# Altium PCB GPS_Traking_V1_1.PcbDoc (part 2 of 2)
Units mm, origin at the board's own origin, x right, y up, seen from the top; angles counter-clockwise.
Board outline 120 x 75 mm, 2 copper layers (Top Layer, Bottom Layer); 165 components, 122 nets, 544 pads, 486 vias.
Unrouted connection lines stored in the file: 3.
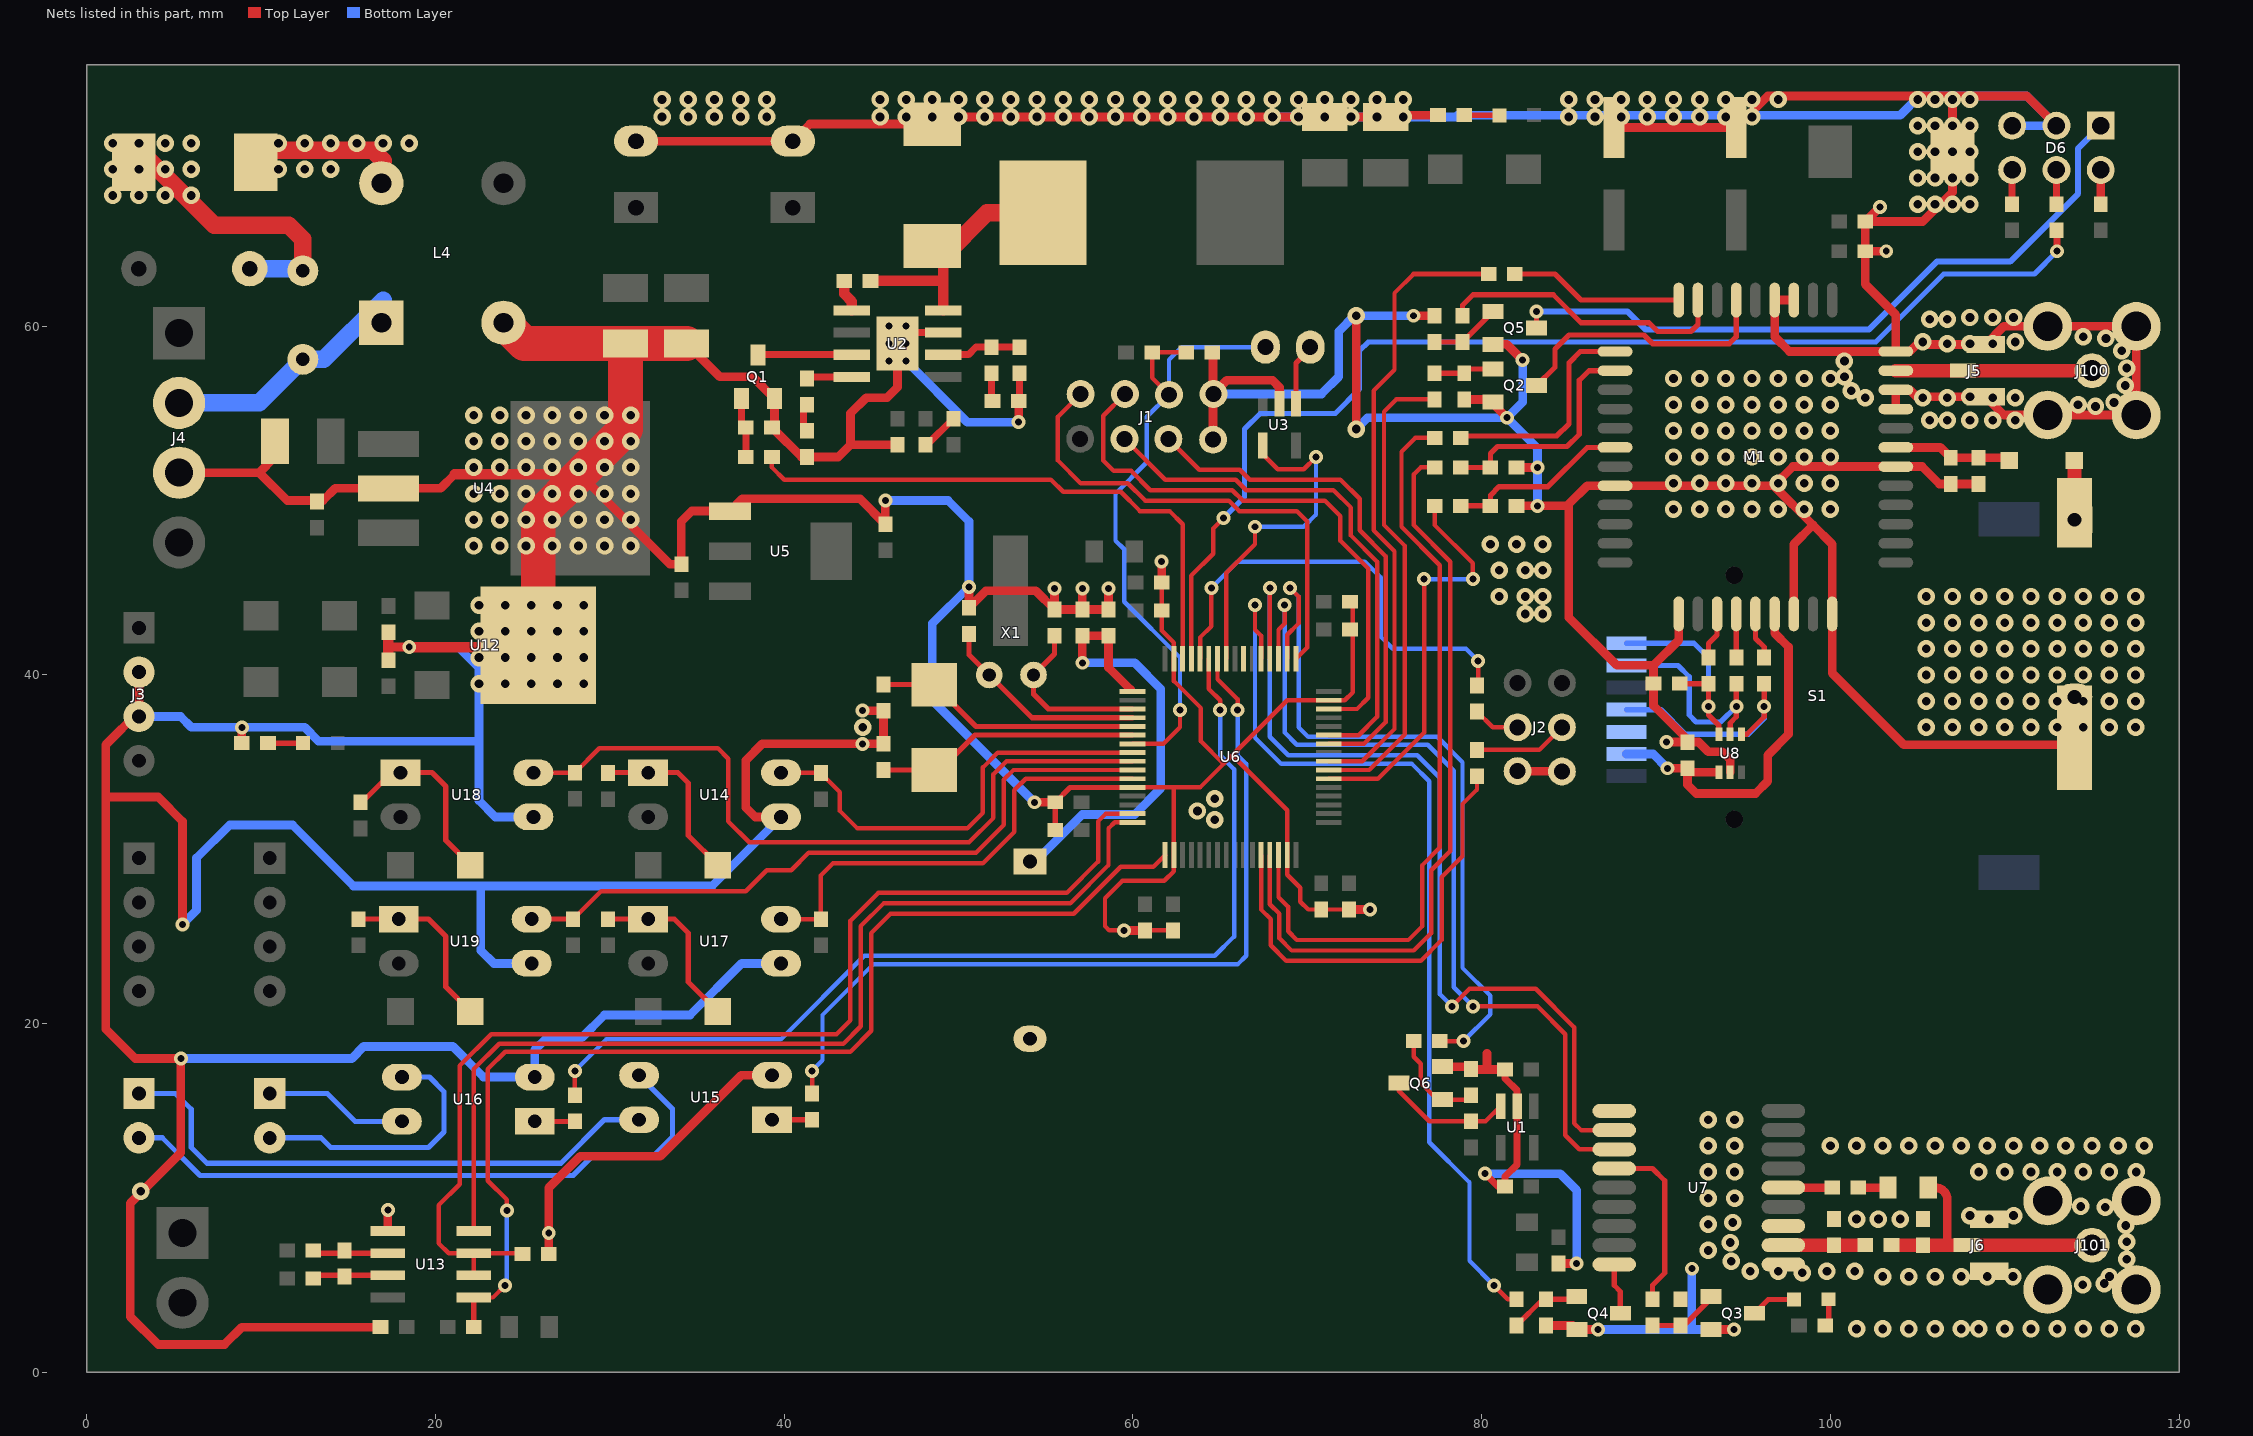
[diagram p2: the nets of this part, all layers, seen from the top]

## Via types
v1: diameter 1, hole 0.5, Top Layer to Bottom Layer, tented both sides, 407 vias
v2: diameter 0.8, hole 0.4, Top Layer to Bottom Layer, tented both sides, 70 vias
v3: diameter 1.2, hole 0.6, Top Layer to Bottom Layer, tented both sides, 9 vias

## Nets (pads, with @x,y where several pads share a name; then routed paths per layer and width w, separated by ;. In a path a pad name is that pad's centre, name@x,y a point inside that pad or via, vN(x,y) a via of type N, cw(c..) or ccw(c..) an arc to the next point about the centre after c; other vN are vias at no path point) (continued)
GND: BT1.2 BT2.2 C2.1 C3.1 C4.1 C5.1 C6.1 C7.1 C8.1 C9.1 C10.1 C11.1 C12.2 C13.2 C14.1 C15.1 C16.1 C17.1 C18.2 C19.2 C20.1 C21.1 C22.2 C23.2 C24.1 C25.1 C26.1 C27.1 C28.1 C29.1 C30.1 C31.1 C32.1 C33.1 C34.2 C35.2 C36.2 C37.2 C38.2 C39.2 C40.1 C41.2 C42.2 C43.1 C44.1 C45.1 C50.1 C55.1 D1.1 D6.3 D6.5 J1.4 J1.8 J2.3 J2.6 J3.2 J3.3 J4.3 J5.2 J6.2 J100.2 J101.2 L4.2 M1.8 M1.13 M1.19 M1.21 M1.27 M1.30 M1.31 M1.33 M1.36 M1.37 pad.2@114,36.4 Q1.1 Q2.1 Q3.1 Q4.1 Q5.1 Q6.1 R1.1 R3.1 R9.1 R10.1 R12.1 R13.1 R14.1 R25.1 R27.1 R31.1 R34.1 R40.1 R75.1 S1.3 U1.2 U2.7 U2.9 U3.2 U4.2 U5.1 U6.12 U6.18 U6.31 U6.47 U6.63 U7.1 U7.10 U7.12 U8.2 U12.2 U13.5 U14.3 U15.2 U16.2 U17.3 U18.3 U19.3 | length 842.2
  Top Layer w0.254: U6.12@59.974,33.55 63.85,33.55 65.2,34.9 ; C31.1@61.65,45.3 C30.1@61.65,43.7 61.65,42.55 62.35,41.85 U6.63@62.35,40.926 62.35,39.65 63.9,38.1 63.9,36.2 65.2,34.9 ; C33.1@62.3,25.35 C32.1@60.7,25.35 58.65,25.35 58.4,25.6 58.4,27.2 59.4,28.2 61.8,28.2 62.35,28.75 U6.18@62.35,29.674 62.35,33.5 ; C26.1@72.4,26.55 C27.1@70.8,26.55 70.05,26.55 69.6,27 69.6,27.8 68.85,28.55 U6.31@68.85,29.674 68.85,32.25 65.7,35.4 ; C28.1@72.45,44.2 72.6,44.05 72.6,39 72.15,38.55 U6.47@71.226,38.55 68.85,38.55 65.7,35.4 ; 65.2,34.9 65.7,35.4
  Top Layer w0.3: C24.1@55.55,31.1 C25.1@55.55,32.7 56.4,33.55 U6.12@59.974,33.55
  Top Layer w0.4: U2.9@47.135,59.635 U2.7@49.116,59.635 ; C9.1@53.5,55.75 C8.1@53.5,57.3 ; v2(80.2,11.4) 80.93,10.67 C5.1@81.338,10.67 81.338,11.238 82.038,11.938 U1.2@82.038,15.27 82.038,16.162 81.338,16.862 C4.1@81.338,17.37
  Top Layer w0.5: J3.2@3,40.16 3,37.9 1.1,36 1.1,33 ; J4.3@5.3,51.6 9.9,51.6 ; v2(5.5,25.7) 5.5,31.6 4.1,33 1.1,33 ; R14.1@8.9,36.1 8.9,36.4 v2(8.9,37) ; C50.1@10.8,53.4 10.8,52.5 9.9,51.6 ; C15.1@16.85,2.6 8.9,2.6 7.9,1.6 4.1,1.6 2.5,3.2 2.5,9.7 5.4,12.6 v2(5.4,18) 2.8,18 1.1,19.7 1.1,33 ; U13.5@17.272,8.11 v2(17.272,9.31) ; 17.3,41.6 v2(18.5,41.6) ; 21.1,51.5 20.3,50.7 U4.2@17.3,50.7 14.25,50.7 13.55,50 11.5,50 9.9,51.6 ; R75.1@26.5,6.8 v2(26.5,8) 26.5,10.6 28.3,12.4 32.9,12.4 37.54,17.04 U15.2@39.3,17.04 ; v1@28.3,51.5 33.45,46.35 C14.1@34.1,46.35 34.1,48.8 34.7,49.4 U5.1@36.9,49.4 37.6,50.1 44.35,50.1 C17.1@45.8,48.65 v2(45.8,50) ; C13.2@31.5,70.61 C12.2@40.5,70.61 41.482,71.592 D1.1@48.5,71.592 48.908,72 v2(68.1,72) v1(71,72) C3.1@74.5,72 ; C7.1@34.4,59 36.3,57.1 38.195,57.1 Q1.1@39.44,55.855 39.44,54.06 41,52.5 R10.1@41.3,52.5 43.1,52.5 43.8,53.2 ; U14.3@39.82,31.86 38.34,31.86 37.8,32.4 37.8,35.1 38.75,36.05 v2(44.5,36.05) C19.2@45.7,36.05 C18.2@45.7,37.95 v2(44.5,37.95) ; R9.1@46.5,53.2 43.8,53.2 ; U2.9@46.5,59 46.5,56.5 45.9,55.9 44.7,55.9 43.8,55 43.8,53.2 ; v2(50.6,45.05) C23.2@50.6,43.85 51.576,44.826 54.424,44.826 C22.2@55.5,43.75 ; v2(53.45,54.5) C9.1@53.45,55.7 ; v2(54.35,32.7) C25.1@55.55,32.7 ; v2(55.5,44.95) C22.2@55.5,43.75 ; v2(57.1,44.95) C21.1@57.1,43.75 ; v2(58.6,44.95) C20.1@58.6,43.75 C21.1@57.1,43.75 ; v2(59.5,25.35) C32.1@60.7,25.35 ; C31.1@61.65,45.3 v2(61.65,46.5) ; C34.2@64.55,58.5 64.597,58.453 J1.8@64.597,56.108 ; J1.4@64.597,53.492 J1.8@64.597,56.108 ; U3.2@68.4,55.551 68.4,56.5 68,56.9 65.389,56.9 J1.8@64.597,56.108 ; C26.1@72.4,26.55 v2(73.6,26.55) ; v1(72.8,54.1) v1(72.8,60.6) ; C3.1@74.6,72.1 R13.1@77.5,72.1 ; v2(76.1,60.6) R40.1@77.3,60.6 ; Q6.1@77.745,17.54 79.26,17.54 R1.1@79.4,17.4 79.43,17.37 80.3,17.37 ; R25.1@79,55.8 Q2.1@80.516,55.8 ; 80.3,18.3 80.3,17.37 ; Q2.1@80.6,55.6 v2(81.449,54.751) ; Q5.1@80.655,58.96 81.44,58.96 v2(82.349,58.051) ; C4.1@81.338,17.37 80.3,17.37 ; R27.1@82,49.7 v2(83.2,49.7) 84.9,49.7 85,49.8 ; R31.1@82,51.9 v2(83.2,51.9) ; J2.3@82.06,34.485 J2.6@84.6,34.485 ; R3.1@83.7,2.7 85.216,2.7 Q4.1@85.455,2.46 v2(86.66,2.46) ; C40.1@84.4,6.25 v2(85.45,6.25) ; C35.2@87.6,71.4 C36.2@94.6,71.4 96.4,73.2 v1@106.8,73.2 ; v2(90.6,36.15) C42.2@91.8,36.15 ; M1.13@91.3,43.5 91.3,42 89.85,40.55 ; Q3.1@93.155,2.46 v2(94.46,2.46) ; U8.2@94.25,34.421 94.25,35.15 93.8,35.6 93,35.6 92.45,36.15 C42.2@91.8,36.15 ; M1.19@97.9,43.5 97.9,47.5 99,48.6 ; M1.36@97.9,61.5 M1.37@96.8,61.5 96.8,59.4 97.65,58.55 M1.33@103.75,58.55 103.75,60.65 102,62.4 C39.2@102,64.3 ; v2(102.849,66.849) C38.2@102,66 ; v2(103.2,64.3) C39.2@102,64.3 ; M1.30@103.75,55.25 M1.31@103.75,56.35 104.55,56.35 104.95,55.95 J5.2@108.9,55.95 109.94,54.91 J100.2@112.46,54.91 J100.2@117.54,54.91 J100.2@117.54,59.99 J100.2@112.46,59.99 109.94,59.99 J5.2@108.9,58.95 104.95,58.95 M1.33@104.55,58.55 ; C45.1@108.5,50.95 C55.1@106.9,50.95 106.25,50.95 105.25,51.95 M1.27@103.75,51.95 97.85,51.95 v1@96.75,50.85 ; D6.3@112.96,71.5 111.26,73.2 v1@106.8,73.2 ; pad.2@114,36.4 113.6,36 104.2,36 100.1,40.1 M1.21@100.1,43.5 100.1,47.5 99,48.6 ; C22.2@55.5,43.75 C21.1@57.1,43.75 ; 85,49.8 85,43.3 87.75,40.55 89.85,40.55 ; 85,49.8 86.05,50.85 M1.8@87.65,50.85 v1@96.75,50.85 ; 89.85,40.55 C41.2@89.85,39.5 89.85,38.25 91.8,36.3 C42.2@91.8,36.15 ; v1@96.75,50.85 99,48.6 ; C39.2@102,64.3 C38.2@102,66 ; C38.2@102,66 105.3,66 107,67.7 v1(107,70) v1(107,73) v1@106.8,73.2
  Top Layer w0.6: C11.1@17.3,40.85 17.3,41.6 C10.1@17.3,42.45 ; v2(18.5,41.6) U12.2@25.8,41.6 ; 21.1,51.5 v1@28.3,51.5
  Top Layer w2: L4.2@23.9,60.2 25.1,59 C6.1@30.9,59 ; U12.2@25.9,41.7 25.9,49.1 28.3,51.5 30.9,54.1 C6.1@30.9,59 ; C7.1@34.4,59 C6.1@30.9,59
  Bottom Layer w0.5: J3.3@3,37.62 5.38,37.62 6,37 v2(8.9,37) 12.5,37 13.3,36.2 22.5,36.2 ; v2(5.4,18) 15.2,18 15.9,18.7 21,18.7 22.76,16.94 U16.2@25.7,16.94 25.7,18.5 26.4,19.2 28.4,19.2 29.7,20.5 34.6,20.5 37.56,23.46 U17.3@39.82,23.46 ; v2(5.5,25.7) 6.3,26.5 6.3,29.5 8.2,31.4 11.8,31.4 15.3,27.9 35.86,27.9 U14.3@39.82,31.86 ; v2(18.5,41.6) 21.3,41.6 22.5,40.4 22.5,36.2 ; 22.6,27.8 22.6,24.2 23.34,23.46 U19.3@25.52,23.46 ; U18.3@25.62,31.86 23.44,31.86 22.5,32.8 22.5,36.2 ; v2(45.8,50) 49.4,50 50.6,48.8 v2(50.6,45.05) 48.5,42.95 48.5,38.55 v2(54.35,32.7) ; U2.9@47,58 50.5,54.5 v2(53.45,54.5) ; J1.8@64.623,56.108 70.808,56.108 71.8,57.1 71.8,59.7 v1@72.7,60.6 ; v2(68.1,72) 78.7,72 78.6,72.1 104,72.1 105.1,73.2 111.26,73.2 D6.3@112.96,71.5 D6.5@110.42,71.5 ; v1(72.8,54.1) 73.451,54.751 v2(81.449,54.751) ; v1(72.8,60.6) v2(76.1,60.6) ; v2(80.2,11.4) 84.5,11.4 85.45,10.45 v2(85.45,6.25) ; v2(82.349,58.051) 82.349,55.651 v2(81.449,54.751) ; v2(83.2,49.7) v2(83.2,51.9) 83.2,53 v2(81.449,54.751) ; v2@86.7,2.5 v2(86.66,2.46) v2(94.46,2.46) ; 92.05,2.51 v2(92.05,5.95)
  other v1: 101.5,2.5 103,2.5 104.5,2.5 106,2.5 107.5,2.5 108.5,2.5 110,2.5 111.5,2.5 113,2.5 114.5,2.5 116,2.5 117.5,2.5 114.468,5.039 115.701,5.101 103,5.5 104.5,5.5 106,5.5 107.503,5.5 109,5.5 110.469,5.5 116,5.5 98.389,5.726 95.4,5.8 97,5.8 99.8,5.8 101.4,5.8 94.316,6.378 117,6.5 93,7 94.25,7.45 117,7.5 116.932,8.43 93,8.5 94.4,8.6 101.5,8.8 102.75,8.8 104,8.8 109.1,8.8 108,9 110.5,9 115.758,9.473 114.357,9.524 93,10 94.5,10 3.1,10.4 93,11.5 94.5,11.5 108.5,11.5 110,11.5 111.5,11.5 113,11.5 114.5,11.5 116,11.5 117.54,11.5 93,13 94.5,13 100,13 101.5,13 103,13 104.5,13 106,13 107.5,13 109,13 110.5,13 112,13 113.5,13 115,13 116.5,13 118,13 93,14.5 94.5,14.5 64.7,31.7 63.7,32.2 64.7,32.9 44.5,37 105.5,37 107,37 108.5,37 110,37 111.5,37 113,37 114.5,37 116,37 117.5,37 105.5,38.5 107,38.5 108.5,38.5 110,38.5 111.5,38.5 113,38.5 114.5,38.5 116,38.5 117.5,38.5 22.5,39.5 24,39.5 25.5,39.5 27,39.5 28.5,39.5 105.5,40 107,40 108.5,40 110,40 111.5,40 113,40 114.5,40 116,40 117.5,40 22.5,41 24,41 25.5,41 27,41 28.5,41 105.5,41.5 107,41.5 108.5,41.5 110,41.5 111.5,41.5 113,41.5 114.5,41.5 116,41.5 117.5,41.5 22.5,42.5 24,42.5 25.5,42.5 27,42.5 28.5,42.5 105.5,43 107,43 108.5,43 110,43 111.5,43 113,43 114.5,43 116,43 117.5,43 82.5,43.5 83.5,43.5 22.5,44 24,44 25.5,44 27,44 28.5,44 81,44.5 82.5,44.5 83.5,44.5 105.5,44.5 107,44.5 108.5,44.5 110,44.5 111.5,44.5 113,44.5 114.5,44.5 116,44.5 117.5,44.5 81,46 82.5,46 83.5,46 22.2,47.4 23.7,47.4 25.2,47.4 26.7,47.4 28.2,47.4 29.7,47.4 31.2,47.4 80.5,47.5 82,47.5 83.5,47.5 22.2,48.9 23.7,48.9 25.2,48.9 26.7,48.9 28.2,48.9 29.7,48.9 31.2,48.9 91,49.5 92.5,49.5 94,49.5 95.5,49.5 97,49.5 98.5,49.5 100,49.5 22.2,50.4 23.7,50.4 25.2,50.4 26.7,50.4 28.2,50.4 29.7,50.4 31.2,50.4 91,51 92.5,51 94,51 95.5,51 97,51 98.5,51 100,51 22.2,51.9 23.7,51.9 25.2,51.9 26.7,51.9 28.2,51.9 29.7,51.9 31.2,51.9 91,52.5 92.5,52.5 94,52.5 95.5,52.5 97,52.5 98.5,52.5 100,52.5 22.2,53.4 23.7,53.4 25.2,53.4 26.7,53.4 28.2,53.4 29.7,53.4 31.2,53.4 91,54 92.5,54 94,54 95.5,54 97,54 98.5,54 100,54 105.7,54.6 106.7,54.6 108,54.6 109.3,54.6 110.6,54.6 22.2,54.9 23.7,54.9 25.2,54.9 26.7,54.9 28.2,54.9 29.7,54.9 31.2,54.9 115.2,55.4 91,55.5 92.5,55.5 94,55.5 95.5,55.5 97,55.5 98.5,55.5 100,55.5 114.2,55.5 116.263,55.627 102,55.9 105.3,55.9 106.7,55.9 109.3,55.9 110.6,55.9 108,55.95 101.2,56.3 116.9,56.6 91,57 92.5,57 94,57 95.5,57 97,57 98.5,57 100,57 100.8,57.1 117,57.6 100.8,58 116.7,58.6 106.7,59 108,59 109.3,59 105.3,59.1 110.6,59.1 115.8,59.3 114.5,59.4 105.7,60.4 106.7,60.4 108,60.5 109.3,60.5 110.5,60.5 105,67 106,67 107,67 108,67 105,68.5 106,68.5 107,68.5 108,68.5 105,70 106,70 108,70 105,71.5 106,71.5 107,71.5 108,71.5 33,72 34.5,72 36,72 37.5,72 39,72 45.5,72 47,72 48.5,72 50,72 51.5,72 53,72 54.5,72 56,72 57.5,72 59,72 59,72 60.5,72 62,72 63.5,72 65,72 66.5,72 68,72 69.5,72 71,72 72.5,72 74,72 75.5,72 85,72 86.5,72 88,72 89.5,72 91,72 91,72 92.5,72 94,72 95.5,72 33,73 34.5,73 36,73 37.5,73 39,73 45.5,73 47,73 48.5,73 50,73 51.5,73 53,73 54.5,73 56,73 57.5,73 59,73 59,73 60.5,73 62,73 63.5,73 65,73 66.5,73 68,73 69.5,73 71,73 71,73 72.5,73 74,73 75.5,73 85,73 86.5,73 88,73 89.5,73 91,73 91,73 92.5,73 94,73 95.5,73 97,73 105,73 106,73 108,73
GND_INPUT: C49.1 J4.2 L4.1 | length 14.9
  Bottom Layer w1: J4.2@5.3,55.6 9.9,55.6 C49.1@12.4,58.1 13.6,58.1 17,61.5 ; J4.2@5.3,56.6 J4.2@5.8,56.1
GPS_RESET: Q4.2 U7.9 | length 2.9
  Top Layer w0.3: U7.9@87.6,6.2 87.6,5 87.95,4.65 Q4.2@87.95,3.4
GPS_RF: C43.2 J6.1 J101.1 L2.1 R35.1 | length 15.6
  Top Layer w0.5: L2.1@105.6,10.6 106.017,10.6 cw(c106.017,9.917) 106.7,9.917 106.7,7.3
  Top Layer w0.762: R35.1@103.5,7.3 C43.2@105.3,7.3 106.7,7.3 J6.1@107.8,7.3 J101.1@115,7.3
GPS_TIMEPULSE: R32.1 U7.4 | length 10.3
  Top Layer w0.3: U7.4@87.6,11.7 89.8,11.7 90.5,11 90.5,5.7 89.8,5 R32.1@89.8,4.2
GSM_NETLIGHT: M1.41 R38.1 | length 16.8
  Top Layer w0.3: R38.1@78.9,60.6 78.9,61.2 79.5,61.8 84.1,61.8 85.7,60.2 89.6,60.2 90.1,59.7 92,59.7 92.4,60.1 M1.41@92.4,61.5
GSM_RF: J5.1 J100.1 M1.32 | length 11.3
  Top Layer w0.762: M1.32@103.75,57.45 J5.1@107.6,57.45 J100.1@115,57.45
LED_STATUS: R16.2 U6.61 | length 67.8
  Top Layer w0.254: U6.61@63.35,40.926 63.35,45.7 64.6,46.95 64.6,48.4 v2(65.2,49) ; R16.2@112.96,65.5 R16.2@113,65.46
  Top Layer w0.4: v2(113,64.3) R16.2@113,65.46
  Bottom Layer w0.3: v2(65.2,49) 66.4,50.2 66.4,54.1 67.3,55 71.6,55 73,56.4 73,58.6 73.5,59.1 102.6,59.1 106.5,63 111.7,63 v2(113,64.3)
MCU_BOOT0: R21.1 U6.60 | length 26
  Top Layer w0.254: U6.60@63.85,40.926 63.85,42.15 64.5,42.8 v2(64.5,45) ; R21.1@79.73,39.4 79.8,39.47 v2(79.8,40.8)
  Bottom Layer w0.254: v2(64.5,45) 66,46.5 73.3,46.5 74.2,45.6 74.2,42.2 74.9,41.5 79.1,41.5 v2(79.8,40.8)
MCU_BOOT1: R23.1 U6.28 | length 26.3
  Top Layer w0.254: U6.28@67.35,29.674 67.35,26.55 67.9,26 67.9,24.5 68.8,23.6 76.5,23.6 77.7,24.8 77.7,28.4 78.9,29.6 78.9,32.6 79.73,33.43 R23.1@79.73,34.2
MCU_RESET: C34.1 J1.7 J13.1 R22.1 U6.7 | length 37.5
  Top Layer w0.254: U6.7@59.974,36.05 61.75,36.05 62.7,37 v2(62.7,38) ; J1.7@62.07,56.07 61.1,57.04 R22.1@61.1,58.5 C34.1@63.05,58.5
  Bottom Layer w0.254: v2(62.7,38) 62.7,41 59.498,44.202 59.498,47.202 59,47.7 59,50.4 60.8,52.2 60.8,54.8 J1.7@62.07,56.07 62.07,58.07 62.8,58.8 67.1,58.8 J13.1@67.4,58.5
MCU_TCK: J1.5 U6.49 | length 28.2
  Top Layer w0.254: J1.5@57.003,56.108 55.7,54.805 55.7,52.3 57,51 59.7,51 60.7,50 65.5,50 66.1,49.4 69.4,49.4 70,48.8 70,41.576 U6.49@69.35,40.926
MCU_TMS: J1.6 U6.46 | length 32.9
  Top Layer w0.254: J1.6@59.543,56.108 58.3,54.865 58.3,52.3 58.9,51.7 59.9,51.7 61,50.6 65.7,50.6 66.3,50 71,50 71.9,49.1 71.9,47.7 73.5,46.1 73.5,38.7 72.85,38.05 U6.46@71.226,38.05
MCU_WDI: U3.4 U6.57 | length 19.6
  Top Layer w0.254: U6.57@65.35,40.926 65.346,40.93 65.346,45.846 67,47.5 v2(67,48.5) ; U3.4@67.45,53.163 67.45,52.65 68.3,51.8 69.8,51.8 v2(70.5,52.5)
  Bottom Layer w0.254: v2(67,48.5) 69.8,48.5 70.5,49.2 v2(70.5,52.5)
NetBT2_1: BT2.1 D4.1 pad.2@114,49.3 | length 3
  Top Layer w0.5: D4.1@113.992,52.3 D4.1@114,52.292
  Top Layer w0.8: pad.2@114,49.3 D4.1@114,52.292
NetC1_1: C1.1 U2.1 | length 1.9
  Top Layer w0.6: C1.1@43.45,62.6 43.45,61.85 43.884,61.416 U2.1@43.884,60.905
NetC1_2: C1.2 D1.2 L1.1 U2.8 | length 14
  Top Layer w0.6: C1.2@44.95,62.6 49.116,62.6 ; U2.8@49.116,60.905 49.116,62.6 ; D1.2@49.116,63.984 49.116,62.6
  Top Layer w1: D1.2@49.116,63.984 51.632,66.5 L1.1@54.85,66.5
NetC8_2: C8.2 R5.2 U2.6 | length 4.6
  Top Layer w0.4: U2.6@49.116,58.365 50.565,58.365 51,58.8 R5.2@51.9,58.8 C8.2@53.5,58.8
NetC9_2: C9.2 R5.1 | length 1.6
  Top Layer w0.4: R5.1@51.9,57.3 51.9,55.75 C9.2@51.95,55.7
NetC18_1: C18.1 U6.5 Y1.2 | length 15.3
  Top Layer w0.3: C18.1@45.7,39.45 Y1.2@48.6,39.45 51,37.05 U6.5@59.974,37.05
NetC19_1: C19.1 U6.6 Y1.1 | length 15.1
  Top Layer w0.3: C19.1@45.7,34.55 Y1.1@48.6,34.55 48.95,34.55 50.95,36.55 U6.6@59.974,36.55
NetC22_1: C22.1 U6.3 X1.1 | length 9.9
  Top Layer w0.3: C22.1@55.5,42.25 55.5,41.2 X1.1@54.3,40 54.3,38.9 55.15,38.05 U6.3@59.974,38.05
NetC23_1: C23.1 U6.4 X1.2 | length 12.1
  Top Layer w0.3: C23.1@50.6,42.35 50.6,41.16 X1.2@51.76,40 54.21,37.55 U6.4@59.974,37.55
NetC44_2: C44.2 R35.2 U7.11 | length 4.7
  Top Layer w0.762: U7.11@97.3,7.3 C44.2@100.2,7.3 R35.2@102,7.3
NetC49_2: C49.2 D13.1 F1.2 | length 16.4
  Top Layer w1: D13.1@3.008,70.1 7.308,65.8 11.6,65.8 12.4,65 C49.2@12.4,63.18
  Bottom Layer w1: F1.2@9.35,63.3 12.28,63.3 C49.2@12.4,63.18
  other v1: 1.5,67.5 3,67.5 4.5,67.5 6,67.5 1.5,69 3,69 4.5,69 6,69 1.5,70.5 3,70.5 4.5,70.5 6,70.5
NetD3_2: D3.2 R14.2 | length 2
  Top Layer w0.3: R14.2@10.413,36.087 D3.2@12.409,36.087
NetD5_2: D5.2 R13.2 | length 2
  Top Layer w0.3: R13.2@79,72.1 D5.2@80.997,72.1
NetD6_1: D6.1 Q5.2 | length 40.1
  Top Layer w0.3: Q5.2@83.15,59.9 v2(83.15,60.85)
  Bottom Layer w0.35: v2(83.15,60.85) 88.35,60.85 89.4,59.8 102.2,59.8 106.1,63.7 110.3,63.7 114.2,67.6 114.2,70.2 D6.1@115.5,71.5
NetD6_2: D6.2 R18.1 | length 2
  Top Layer w0.5: R18.1@115.5,67 D6.2@115.5,68.96
NetD6_4: D6.4 R16.1 | length 2
  Top Layer w0.4: R16.1@112.96,67 D6.4@112.96,68.96
NetD6_6: D6.6 R15.1 | length 2
  Top Layer w0.4: R15.1@110.42,67 D6.6@110.42,68.96
NetD7_1: D7.1 R30.1 | length 1.6
  Top Layer w0.3: R30.1@99.7,2.7 99.9,2.9 D7.1@99.9,4.2
NetD7_2: D7.2 Q3.2 | length 2.6
  Top Layer w0.3: Q3.2@95.65,3.4 96.437,4.187 D7.2@97.909,4.187
NetD9_2: D9.2 R66.2 U14.1 | length 10.2
  Top Layer w0.3: R66.2@29.92,34.4 U14.1@32.2,34.4 33.9,34.4 34.5,33.8 34.5,30.8 D9.2@36.2,29.1
NetD10_2: D10.2 R70.2 U17.1 | length 10
  Top Layer w0.3: R70.2@30,26 U17.1@32.2,26 33.7,26 34.5,25.2 34.5,22.4 D10.2@36.2,20.7
NetD11_2: D11.2 R72.2 U18.1 | length 11
  Top Layer w0.3: R72.2@15.7,32.7 15.8,32.7 17.5,34.4 U18.1@18,34.4 19.8,34.4 20.6,33.6 20.6,30.5 D11.2@22,29.1
NetD12_2: D12.2 R74.2 U19.1 | length 10.3
  Top Layer w0.3: R74.2@15.6,25.9 15.7,26 U19.1@17.9,26 19.6,26 20.6,25 20.6,22.1 D12.2@22,20.7
NetD13_2: D13.2 L4.4 | length 7.2
  Top Layer w1: D13.2@10,70.1 16.4,70.1 17,69.5
  other v1: 11,69 12.5,69 14,69 11,70.5 12.5,70.5 14,70.5 15.5,70.5 17,70.5 18.5,70.5
NetJ2_2: J2.2 R21.2 | length 2.7
  Top Layer w0.254: R21.2@79.73,37.9 80.63,37 J2.2@82.06,37
NetJ2_5: J2.5 R23.2 | length 5.4
  Top Layer w0.254: R23.2@79.73,35.7 83.3,35.7 J2.5@84.6,37
NetJ13_2: J13.2 U3.1 | length 3.6
  Top Layer w0.3: U3.1@69.35,55.551 69.35,57.885 J13.2@70.215,58.75
NetL2_2: L2.2 R36.1 | length 1.7
  Top Layer w0.5: R36.1@101.6,10.6 L2.2@103.3,10.6
NetM1_15: M1.15 R7.2 | length 2.7
  Top Layer w0.3: R7.2@93,41 93,41.8 93.5,42.3 M1.15@93.5,43.5
NetM1_16: M1.16 R96.2 | length 2.5
  Top Layer w0.3: R96.2@94.6,41 M1.16@94.6,43.5
NetM1_17: M1.17 R97.2 | length 2.7
  Top Layer w0.3: M1.17@95.7,43.5 95.7,42.1 96.2,41.6 R97.2@96.2,41
NetQ1_2: Q1.2 U2.3 | length 5.4
  Top Layer w0.4: Q1.2@38.515,58.365 U2.3@43.884,58.365
NetQ1_3: Q1.3 R11.1 R12.2 | length 3.5
  Top Layer w0.4: Q1.3@37.55,55.85 37.55,54.45 R12.2@37.8,54.2 R11.1@37.8,52.5
NetQ2_3: Q2.3 R24.2 R25.2 | length 3.5
  Top Layer w0.3: R24.2@77.3,57.3 R25.2@79,57.3 79.25,57.55 Q2.3@80.65,57.55
NetQ3_3: Q3.3 R32.2 R34.2 | length 4.1
  Top Layer w0.3: R32.2@89.8,2.7 R34.2@91.4,2.7 91.6,2.7 93.15,4.25 Q3.3@93.15,4.35
NetQ4_3: Q4.3 R3.2 R33.2 | length 3.9
  Top Layer w0.3: R33.2@82,2.7 83.5,4.2 R3.2@83.7,4.2 Q4.3@85.3,4.2
NetQ5_3: Q5.3 R38.2 R40.2 | length 4.1
  Top Layer w0.3: R40.2@77.3,59.1 R38.2@78.9,59.1 Q5.3@80.65,60.85
NetQ6_2: Q6.2 R4.1 U1.3 | length 7.4
  Top Layer w0.254: Q6.2@75.25,16.6 75.25,16.15 77,14.4 R4.1@79.4,14.4 80.218,14.4 U1.3@81.088,15.27
NetQ6_3: Q6.3 R1.2 R19.1 | length 6
  Top Layer w0.254: R19.1@76.1,19 76.1,18.1 76.5,17.7 76.5,16.6 77.45,15.65 Q6.3@77.75,15.65 79.15,15.65 R1.2@79.4,15.9
NetR2_1: R2.1 R6.2 | length 2.3
  Top Layer w0.4: R6.2@48.1,53.2 48.2,53.2 R2.1@49.7,54.7 R2.1@49.6,54.7
NetR8_1: R8.1 R10.2 | length 1.5
  Top Layer w0.4: R10.2@41.1,54 R8.1@41.1,55.5
NetR8_2: R8.2 U2.4 | length 2.7
  Top Layer w0.4: R8.2@41.195,57.095 U2.4@43.884,57.095
NetR11_2: R11.2 U6.62 | length 33.2
  Top Layer w0.254: R11.2@39.3,52.5 39.3,51.9 40,51.2 55.3,51.2 56,50.5 59.3,50.5 60.4,49.4 62.1,49.4 62.85,48.65 U6.62@62.85,40.926
NetR19_2: R19.2 U6.50 | length 41.6
  Top Layer w0.254: U6.50@68.85,40.926 68.85,42.304 69.5,42.954 69.5,44.5 v2(69,45) ; R19.2@77.6,19 v2(78.95,19)
  Bottom Layer w0.254: v2(69,45) 69.5,44.5 69.5,37 70.046,36.454 77.446,36.454 78.9,35 78.9,23.2 80.5,21.6 80.5,20.55 v2(78.95,19)
NetR24_1: R24.1 U6.39 | length 27.4
  Top Layer w0.254: U6.39@71.226,34.55 73.55,34.55 75.6,36.6 75.6,47.4 74.4,48.6 74.4,55.1 75.1,55.8 R24.1@77.3,55.8
NetR26_1: R26.1 U6.38 | length 23.3
  Top Layer w0.254: U6.38@71.226,34.05 74.05,34.05 76.7,36.7 v2(76.7,45.5) ; R26.1@77.3,49.7 77.3,48.6 79.5,46.4 v2(79.5,45.5)
  Bottom Layer w0.254: v2(76.7,45.5) v2(79.5,45.5)
NetR28_1: R28.1 U6.30 | length 43.6
  Top Layer w0.254: U6.30@68.35,29.674 68.35,27.25 68.9,26.7 68.9,25.3 69.4,24.8 75.8,24.8 76.6,25.6 76.6,29.1 77.6,30.1 77.6,46.3 75.4,48.5 75.4,52.8 76.2,53.6 R28.1@77.3,53.6
NetR29_1: R29.1 U6.29 | length 43.4
  Top Layer w0.254: U6.29@67.85,29.674 67.85,26.85 68.4,26.3 68.4,24.9 69.1,24.2 76.1,24.2 77.1,25.2 77.1,28.8 78.2,29.9 78.2,46.5 76.1,48.6 76.1,51.5 76.5,51.9 R29.1@77.3,51.9
NetR33_1: R33.1 U6.53 | length 53.9
  Top Layer w0.254: v2(67,44) 67,42.6 67.35,42.25 U6.53@67.35,40.926 ; v2(80.7,5) 81.5,4.2 R33.1@82,4.2
  Bottom Layer w0.254: v2(67,44) 67,36.4 68.5,34.9 76,34.9 77,33.9 77,13.2 79.3,10.9 79.3,6.4 v2(80.7,5)
NetR36_2: R36.2 U7.14 | length 2.8
  Top Layer w0.5: U7.14@97.3,10.6 R36.2@100.1,10.6
NetR39_2: R39.2 U6.40 | length 36.4
  Top Layer w0.254: U6.40@71.226,35.05 73.15,35.05 75,36.9 75,47.1 73.8,48.3 73.8,56.3 75,57.5 75,61.9 76.1,63
  Top Layer w0.3: 76.1,63 R39.2@80.4,63
NetR61_2: R61.2 R62.2 U13.6 | length 4.2
  Top Layer w0.3: R61.2@13.06,6.84 U13.6@17.272,6.84
NetR62_1: R62.1 R63.2 U13.7 | length 4
  Top Layer w0.3: R63.2@13.27,5.57 U13.7@17.272,5.57
NetR65_1: R65.1 U6.8 U14.4 | length 25.4
  Top Layer w0.254: U14.4@39.82,34.4 42.08,34.4 R65.1@42.1,34.38 43.2,33.28 43.2,32.2 44.2,31.2 50.5,31.2 51.4,32.1 51.4,34.7 52.25,35.55 U6.8@59.974,35.55
NetR67_1: R67.1 U6.58 | length 48.2
  Top Layer w0.254: R67.1@41.6,16 v2(41.6,17.3) ; U6.58@64.85,40.926 64.85,39.75 66,38.6 v2(66,38)
  Bottom Layer w0.254: v2(41.6,17.3) 42.2,17.9 42.2,20.5 45.1,23.4 66,23.4 66.5,23.9 66.5,34.9 66,35.4 v2(66,38)
NetR67_2: R67.2 U15.1 | length 2.3
  Top Layer w0.3: U15.1@39.3,14.5 R67.2@41.6,14.5
NetR68_1: R68.1 U6.59 | length 58.9
  Top Layer w0.254: R68.1@28,15.9 v2(28,17.3) ; U6.59@64.35,40.926 64.35,39.2 65,38.55 v2(65,38)
  Bottom Layer w0.254: v2(28,17.3) 29.8,19.1 39.8,19.1 44.6,23.9 64.7,23.9 65.8,25 65.8,34.6 65,35.4 v2(65,38)
NetR68_2: R68.2 U16.1 | length 2.3
  Top Layer w0.3: U16.1@25.7,14.4 R68.2@28,14.4
NetR69_1: R69.1 U6.11 U17.4 | length 26.4
  Top Layer w0.254: U17.4@39.82,26 R69.1@42.1,26 42.1,28.5 42.8,29.2 51.4,29.2 53.2,31 53.2,33.4 53.85,34.05 U6.11@59.974,34.05
NetR71_1: R71.1 U6.9 U18.4 | length 42.7
  Top Layer w0.254: U18.4@25.62,34.4 R71.1@28,34.4 29.4,35.8 36.2,35.8 36.8,35.2 36.8,31.6 38,30.4 50.6,30.4 52,31.8 52,34.3 52.75,35.05 U6.9@59.974,35.05
NetR73_1: R73.1 U6.10 U19.4 | length 39.4
  Top Layer w0.254: R73.1@27.9,26 29.5,27.6 37.8,27.6 39,28.8 40.4,28.8 41.4,29.8 51,29.8 52.6,31.4 52.6,34 53.15,34.55 U6.10@59.974,34.55
  Top Layer w0.3: U19.4@25.52,26 R73.1@27.8,26
NetR82_1: U6.55
NetU6_51: U6.51 U7.3 | length 50
  Top Layer w0.254: U6.51@68.35,40.926 68.35,42.6 68.7,42.95 v2(68.7,44) ; v2(79.5,21) 83.2,21 84.8,19.4 84.8,13.6 85.6,12.8 U7.3@87.6,12.8
  Bottom Layer w0.254: v2(68.7,44) 68.7,36.7 69.4,36 76.9,36 78.4,34.5 78.4,22.1 v2(79.5,21)
NetU6_52: U6.52 U7.2 | length 53
  Top Layer w0.254: U6.52@67.85,40.926 v2(67.85,45) ; v2(78.3,21) 79.3,22 83.1,22 85.3,19.8 85.3,14.3 85.7,13.9 U7.2@87.6,13.9
  Bottom Layer w0.254: v2(67.85,45) 67.85,36.45 68.9,35.4 76.3,35.4 77.6,34.1 77.6,21.7 v2(78.3,21)
OUT1+: J11.1 U15.4 | length 32.7
  Bottom Layer w0.3: J11.1@3,16 5.1,16 6,15.1 6,12.9 6.9,12 27.2,12 29.7,14.5 U15.4@31.68,14.5
OUT1-: J11.2 U15.3 | length 36.7
  Bottom Layer w0.3: J11.2@3,13.46 4.34,13.46 6.5,11.3 27.9,11.3 29.1,12.5 32.6,12.5 33.6,13.5 33.6,15.12 U15.3@31.68,17.04
OUT2+: J12.1 U16.4 | length 8.2
  Bottom Layer w0.3: J12.1@10.5,16 13.8,16 15.4,14.4 U16.4@18.08,14.4
OUT2-: J12.2 U16.3 | length 15.7
  Bottom Layer w0.3: J12.2@10.5,13.46 13.44,13.46 14,12.9 19.6,12.9 20.5,13.8 20.5,16.1 19.66,16.94 U16.3@18.08,16.94
POWERKEY: M1.39 Q2.2 | length 15.7
  Top Layer w0.3: Q2.2@83.15,56.6 84.2,57.65 84.2,58.7 85,59.5 89.3,59.5 89.8,59 94.2,59 94.6,59.4 M1.39@94.6,61.5
RS485_DIR: R75.2 U6.15 U13.2 U13.3 | length 66.3
  Top Layer w0.254: U13.2@22.2,5.57 U13.3@22.2,6.84 ; R75.2@25,6.8 24.96,6.84 U13.3@22.2,6.84 ; U6.15@59.974,32.05 58.45,32.05 58,31.6 58,29.3 56.2,27.5 45.4,27.5 43.8,25.9 43.8,20.2 43,19.4 23.2,19.4 21.4,17.6 21.4,10.8 20.2,9.6 20.2,7.4 20.76,6.84 U13.3@22.2,6.84
RS485_RX: R37.1 U6.17 U13.1 | length 63.9
  Top Layer w0.254: U13.1@22.2,4.3 23.3,4.3 v2(24,5) ; v2(24.1,9.3) 24.1,9.9 23,11 23,17.4 24,18.4 43.8,18.4 45,19.6 45,25.2 46.1,26.3 56.6,26.3 59.3,29 61.176,29 U6.17@61.85,29.674
  Top Layer w0.3: R37.1@22.2,2.6 U13.1@22.2,4.3
  Bottom Layer w0.254: v2(24,5) 24.1,5.1 v2(24.1,9.3)
RS485_TX: U6.16 U13.4 | length 57.5
  Top Layer w0.254: U13.4@22.2,8.11 22.2,17.4 23.654,18.854 43.4,18.854 44.4,19.854 44.4,25.6 45.7,26.9 56.4,26.9 58.6,29.1 58.6,31.2 58.95,31.55 U6.16@59.974,31.55
SIM_CLK: R96.1 S1.6 U8.5 | length 12.4
  Top Layer w0.3: U8.5@94.25,36.6 94.25,37.25 94.6,37.6 v2(94.6,38.2) R96.1@94.6,39.5
  Bottom Layer w0.3: S1.6@88.3,40.55 91.25,40.55 91.9,39.9 91.9,37.7 92.3,37.3 93.7,37.3 v2(94.6,38.2)
SIM_DATA: C41.1 R7.1 S1.7 U8.6 | length 12.6
  Top Layer w0.3: C41.1@91.35,39.5 R7.1@93,39.5 v2(93,38.2) 93,37.7 93.6,37.1 U8.6@93.6,36.6
  Bottom Layer w0.3: S1.7@88.3,41.82 92.18,41.82 93,41 v2(93,38.2)
SIM_RST: R97.1 S1.4 U8.4 | length 13.2
  Top Layer w0.3: U8.4@94.9,36.6 95.2,36.6 96.2,37.6 v2(96.2,38.2) R97.1@96.2,39.5
  Bottom Layer w0.3: S1.4@88.3,38.01 90.29,38.01 91.7,36.6 95.3,36.6 96.2,37.5 v2(96.2,38.2)
SIM_VCC: C42.1 M1.18 S1.2 U8.1 | length 22.1
  Top Layer w0.5: v2(90.65,34.65) C42.1@91.8,34.65 ; U8.1@93.5,34.421 92.029,34.421 C42.1@91.8,34.65 ; M1.18@96.8,43.5 96.8,42.4 97.6,41.6 97.6,36.6 96.4,35.4 96.4,33.9 95.7,33.2 92.3,33.2 91.8,33.7 C42.1@91.8,34.65
  Bottom Layer w0.5: S1.2@88.3,35.47 89.83,35.47 v2(90.65,34.65)
STATUS: M1.42 R39.1 | length 10
  Top Layer w0.3: R39.1@81.9,63 84.2,63 85.7,61.5 M1.42@91.3,61.5
UART1_DTR: M1.6 R26.2 R27.2 | length 10.6
  Top Layer w0.3: R26.2@78.8,49.7 R27.2@80.5,49.7 80.5,50.3 81,50.8 83.8,50.8 86.05,53.05 M1.6@87.65,53.05
UART1_RXD: M1.2 R29.2 R31.2 | length 13.4
  Top Layer w0.3: R29.2@78.8,51.9 R31.2@80.5,51.9 80.5,52.7 80.9,53.1 84.9,53.1 85.6,53.8 85.6,56.9 86.15,57.45 M1.2@87.65,57.45
UART1_TXD: M1.1 R28.2 | length 13
  Top Layer w0.3: R28.2@78.8,53.6 78.9,53.7 84.3,53.7 85,54.4 85,57.9 85.65,58.55 M1.1@87.65,58.55
USART1_RX: J1.2 U6.43 | length 30.4
  Top Layer w0.254: J1.2@59.517,53.543 61.86,51.2 65.9,51.2 66.5,50.6 71.5,50.6 72.5,49.6 72.5,48 74,46.5 74,37.6 72.95,36.55 U6.43@71.226,36.55
USART1_TX: J1.3 U6.42 | length 29.6
  Top Layer w0.254: J1.3@62.032,53.543 63.8,51.775 66.125,51.775 66.7,51.2 71.9,51.2 73,50.1 73,48.3 74.5,46.8 74.5,37.3 73.25,36.05 U6.42@71.226,36.05
VBAT: BT1.1 C20.2 C21.2 U6.1 | length 26.7
  Top Layer w0.5: v2(57.1,40.7) C21.2@57.1,42.25 C20.2@58.6,42.25 58.6,40.424 U6.1@59.862,39.162
  Bottom Layer w0.5: BT1.1@54.1,29.3 54.4,29.3 57.1,32 60.1,32 61.6,33.5 61.6,39.2 60.1,40.7 v2(57.1,40.7)
VRTC: C45.2 C55.2 D4.2 M1.28 | length 6.8
  Top Layer w0.5: M1.28@103.75,53.05 106.3,53.05 C55.2@106.9,52.45 C45.2@108.5,52.45 110.1,52.45 D4.2@110.25,52.3
pads on no net: M1.3 M1.4 M1.5 M1.7 M1.9 M1.10 M1.11 M1.12 M1.14 M1.20 M1.22 M1.23 M1.24 M1.25 M1.26 M1.29 M1.38 M1.40 S1.0 S1.1 S1.5 S1.8 U1.4 U3.3 U4.4 U6.2 U6.14 U6.20 U6.21 U6.22 U6.23 U6.24 U6.26 U6.34 U6.35 U6.36 U6.37 U6.41 U6.44 U6.45 U6.54 U6.56 U7.5 U7.7 U7.13 U7.15 U7.16 U7.17 U7.18 U8.3 X1.3

## Polygon pours and split planes (outlines as drawn)
GND on Top Layer "GND_L01_P-001" (solid, remove dead copper, shelved, pour order 8): 120,73.5 0,73.5 0,1 120,1
NetC49_2 on Top Layer "GND_L01_P-001" (solid, remove dead copper, shelved, pour order 0): 14,61.5 14,66.8 9.4,66.8 7.7,66.8 7,67.5 7,73 1,73 1,61.5
GND on Bottom Layer "GND_L01_P-001" (solid, remove dead copper, shelved, pour order 6): 120,2 0,2 0,73.5 120,73.5

## Keep-outs
Keep-Out Layer:
  the board outline again, w0.5

## Other copper
Top Layer:
  region net +VIN: 15.9,54.3 15.4,54.8 15,54.8 15,52 15.2,52.2 19,52.2 19,54.3
  region net +VIN: 13,52 13,55.2 15,57.2 18.9,57.2 19.5,57.8 19.5,63.4 21.6,65.5 29.7,65.5 29.7,63.5 22.5,63.5 21.5,62.5 21.5,57 19.9,55.4 16,55.4 15.7,55.1 15.7,52.7 15,52
  region net +5V: 20.5,37.5 32.5,37.5 33.5,38.5 33.5,45.3 35.7,45.3 35.7,37.4 34.5,36.2 22,36.2 20.5,36.2
  region net NetD13_2: 8,73 20,73 20,66.5 16,66.5 15,67.5 8.5,67.5 8,68
  region net +VIN: 43,60.1 42.2,60.1 41.5,60.8 41.5,64 42.5,65 42.5,68.5 29,68.5 29,61 38,61 39.9,59.1 43,59.1
  region net NetC1_2: 48,60.5 48,61 47.5,61.5 46.5,61.5 46.5,67.5 50.5,67.5 51.5,68.5 51.5,70 60,70 60,62 53,62 51.5,60.5
  region net +4V2: 61,70 79.5,70 79.5,67 78.5,66 73.5,66 69.5,62 61,62
  region net +4V_GSM: 80.5,70 80.5,67 81.5,66 84,66 86,64 97.8,64 98.7,63.1 98.7,60.5 101,60.5 101,67 102,68 102,72 97,72 97,69.5 96,68.5 86.5,68.5 85,70
  region net +5V: 21,40.3 18.4,40.3 18,39.9 16.5,39.9 15.4,41 12.5,41 12.5,38.8 15.5,38.8 16,38.3 16,36.2 21,36.2
  region net +12V: 19.1,49 11.5,49 11.5,45.5 12.5,44.5 12.5,42 15.2,42 16.6,43.4 18.3,43.4 18.7,43 21,43 21,45 20,46 20,48.1
  region net +12V_OUTPUT: 11.5,44.3 10.5,45.3 10.5,48.3 9.6,49.2 2.9,49.2 2,48.3 2,41.7 11.5,41.7
Bottom Layer:
  region net +VDC_INPUT: 7,58 7,62 5.4,63.6 5.4,65.25 1,65.25 1,58
  region net GND_INPUT: 1,57.2 7.7,57.2 11,60.5 14,60.5 15.2,61.7 15.2,65.5 20,65.5 20,55.5 14.5,55.5 13,54 1,54 1,55
  region net NetC49_2: 6.4,67 6.4,63.6 8,62 13,62 14,63 14,67
  region net +VIN: 21,72 27.4,72 27.5,71.9 27.5,69.2 28.2,68.5 43,68.5 43,64 22.5,64 21,65.5
  region net NetD13_2: 8,72 20,72 20,66.5 16,66.5 15,67.5 8.5,67.5 8,68
  region net NetC49_2: 8.75,67 8,67 7.25,67.75 7.25,72 1,72 1,66 5.6,66 6.4,65.2 8.75,65.2
  text "GPS TRACKING V1.2" at 80.6,66.6 h3
  text "DESIGNED BY IMET" at 72.776,64.8 h2

## Silkscreen, mask and mechanical layers (free items; w line width, h text height)
Top Overlay:
  circle w0.4: c93.6,33.3 r0.2
  circle w0.4: c41.9,60.9 r0.2
  circle w0.4: c60,40 r0.2
  circle w0.4: c24,4.3 r0.2
  region: -0.25,1.2 -0.25,0 120.25,0 120.25,1.2
  lines w0.2: 53.3,50.3 67.4,50.3 ; 57,48.4 57,52.173 ; 60.9,48.4 60.9,52.2 ; 64.5,48.4 64.5,52.2 ; 78.7,28.3 85.9,28.3 ; 78.8,30.2 85.9,30.2 ; 82.1,35.5 82.1,36.1 ; 82.4,26 82.4,32.4 ; 78.7,26 85.9,26 85.9,32.4 78.7,32.4 78.7,26 ; 81.1,33.5 81.1,38 83,38 83,37 83,33.5 81.1,33.5
  lines w0.3: 53.3,48.4 53.3,52.2 67.3,52.2 67.4,52.1 67.4,48.5 67.3,48.4 53.3,48.4
  lines w0.5: 0,0 120,0 ; 0,75 120,75
  text "ANTEN GSM" at 108.2,62 h2
  text "24V" at 9.675,61.1 h2 r270
  text "0V" at 9.7,57.3 h2 r270
  text "0V" at 9.7,51.7 h2 r270
  text "TCK" at 53.6,50.6 h1.8
  text "TMS" at 57.4,50.6 h1.8
  text "RST" at 61.3,50.6 h1.8
  text "0V" at 64.9,50.6 h1.8
  text "3V3" at 53.747,48.9 h1.8
  text "RX" at 58.019,48.9 h1.8
  text "TX" at 61.766,48.9 h1.8
  text "0V" at 64.9,48.9 h1.8
  text "12V" at 9.675,48.8 h2 r270
  text "CR1220" at 110.9,44.8 h2
  text "12V" at 7,44.2 h2 r270
  text "GND" at 6.9,40.3 h2 r270
  text "5V" at 6.8,36.1 h2 r270
  text "3V3" at 79.3,30.7 h1.8
  text "3V3" at 82.8,30.7 h1.8
  text "+" at 4.5,30.6 h2 r270
  text "+" at 12,30.6 h2 r270
  text "+" at 6.7,30 h2 r270
  text "IN1" at 4.7,29.4 h1.5 r270
  text "IN3" at 12,29.3 h1.5 r270
  text "B0" at 79.775,28.8 h1.8
  text "B1" at 83.304,28.8 h1.8
  text "--" at 6.7,27.8 h2 r270
  text "--" at 4.5,27.1 h2 r270
  text "--" at 12,27.1 h2 r270
  text "0V" at 79.713,26.7 h1.8
  text "0V" at 83.213,26.7 h1.8
  text "+" at 4.5,25.3 h2 r270
  text "+" at 12,25.2 h2 r270
  text "+" at 6.8,25.1 h2 r270
  text "IN2" at 4.7,24 h1.5 r270
  text "IN4" at 12,24 h1.5 r270
  text "CR1220" at 50.8,23.8 h2
  text "--" at 6.8,22.5 h2 r270
  text "--" at 12,21.8 h2 r270
  text "--" at 4.5,21.7 h2 r270
  text "+" at 6.7,16.6 h2 r270
  text "+" at 11.9,16.5 h2 r270
  text "DO1" at 4.7,15.9 h1.5 r270
  text "DO2" at 14.5,15.9 h1.5 r270
  text "--" at 6.7,14.3 h2 r270
  text "--" at 11.9,14.1 h2 r270
  text "ANTEN GPS" at 108.5,13.5 h2
  text "A" at 1.5,8.6 h2 r270
  text "B" at 1.4,4.4 h2 r270
Bottom Overlay:
  lines w0.3: 0.5,25.7 6.5,25.7 ; 0.5,36.3 6.5,36.3 ; 0.5,41.4 6.5,41.4 ; 1,53.5 9.2,53.5 9.3,53.4 ; 3.5,45.7 3.5,61.6 ; 3.5,49.5 9.3,49.5 ; 3.5,57.7 9.3,57.7 ; 8,25.7 14,25.7 ; 111.7,68 111.7,72.4 ; 114.2,68.1 114.2,72.4 ; 0.5,2 9.5,2 9.5,10 0.5,10 0.5,2 ; 0.5,11.1 0.5,18.5 6.5,18.5 6.5,11 0.6,11 0.5,11.1 ; 0.5,19.3 0.5,32.1 6.5,32.1 6.5,19.3 0.5,19.3 ; 0.5,32.6 6.4,32.6 6.5,32.7 6.5,45.2 0.5,45.2 0.5,32.6 ; 1,45.6 9.3,45.6 9.3,61.6 1,61.6 1,45.6 ; 8,11.1 8.1,11 14,11 14,18.5 8,18.5 8,11.1 ; 8,19.3 14,19.3 14,32.1 8,32.1 8,19.3 ; 108.7,68 108.7,72.5 108.8,72.4 117.5,72.4 117.5,68.1 117.4,68 108.7,68
  text "PWR" at 109.7,64.4 h1.8 r270
  text "GSM" at 115,64.4 h1.8 r270
  text "STATUS" at 112.4,61.9 h1.8 r270
  text "24V" at 7.3,58.2 h2 r270
  text "0V" at 7.3,54.5 h2 r270
  text "VDC_IN" at 1.7,53.9 h2 r270
  text "0V" at 7.3,50.6 h2 r270
  text "12V" at 7.2,46 h2 r270
  text "OUTPUT" at 1.7,45.8 h2 r270
  text "12V" at 4.5,41.9 h2 r270
  text "GND" at 4.5,37 h2 r270
  text "VCC / OUT PUT" at 7.1,34.9 h2 r270
  text "5V" at 4.5,33.5 h2 r270
  text "--IN1+" at 4.5,26.3 h2 r270
  text "--IN3+" at 12,26.3 h2 r270
  text "DATA INPUT" at 15,20.2 h2 r270
  text "--IN2+" at 4.5,19.8 h2 r270
  text "--IN4+" at 12,19.8 h2 r270
  text "--OUT2+" at 12,11.3 h2 r270
  text "--OUT1+" at 4.5,11.2 h2 r270
  text "DATA / OUT PUT" at 14.4,11 h2 r270
  text "A" at 1.5,7.5 h2 r270
  text "B" at 1.5,3.7 h2 r270
  text "RS485" at 7.5,3.4 h2 r270
Top Solder:
  region: 95.9,8.9 98.4,8.9 99,9.5 110.8,9.5 111.9,8.4 113.4,8.4 114,9 116,9 116.5,8.5 116.5,6 116,5.5 114,5.5 114,5.6 113.4,6.2 111.9,6.2 110.7,5 98.8,5 98.2,5.6 95.9,5.6
  region: 102.5,59 104.3,59 105,59.7 110.7,59.7 111.9,58.5 113.5,58.5 114,59 116,59 116.5,58.5 116.5,56.5 116,56 114,56 113.5,56.5 111.9,56.5 110.7,55.3 105,55.3 104.4,55.9 102.5,55.9
Bottom Solder:
  region: 46.6,69.61 46.6,66.1 54.424,66.1 54.424,64.275 73.263,64.275 73.276,64.287 73.276,66.1 81.1,66.1 81.1,69.61

## Text inside footprints (layer, text, board x,y; h text height)
U2: Top Overlay "*" at 45.5,60.4 h0.79; Mechanical 1 "*" at 43.749,61.7 h0.79
U6: Top Overlay "*" at 61.4,38.6 h0.79; Mechanical 1 "*" at 60.926,39.3 h0.79
U13: Top Overlay "*" at 23.3,4.3 h0.79 r180; Mechanical 1 "*" at 22.429,3.462 h0.79 r180